# Altium PCB Graviton-EC2-Simplified.PcbDoc (part 5 of 9)
Units mm, origin at the board's own origin, x right, y up, seen from the top; angles counter-clockwise.
Board outline 200 x 200 mm, 10 copper layers (Top Layer, Internal Plane 1, Signal Layer 1, Internal Plane 2, Signal Layer 2, Signal Layer 3, Internal Plane 3, Signal Layer 4, Internal Plane 4, Bottom Layer), stack 1.674 mm thick; 774 components, 1540 nets, 6310 pads, 1698 vias.
Unrouted connection lines stored in the file: 74.
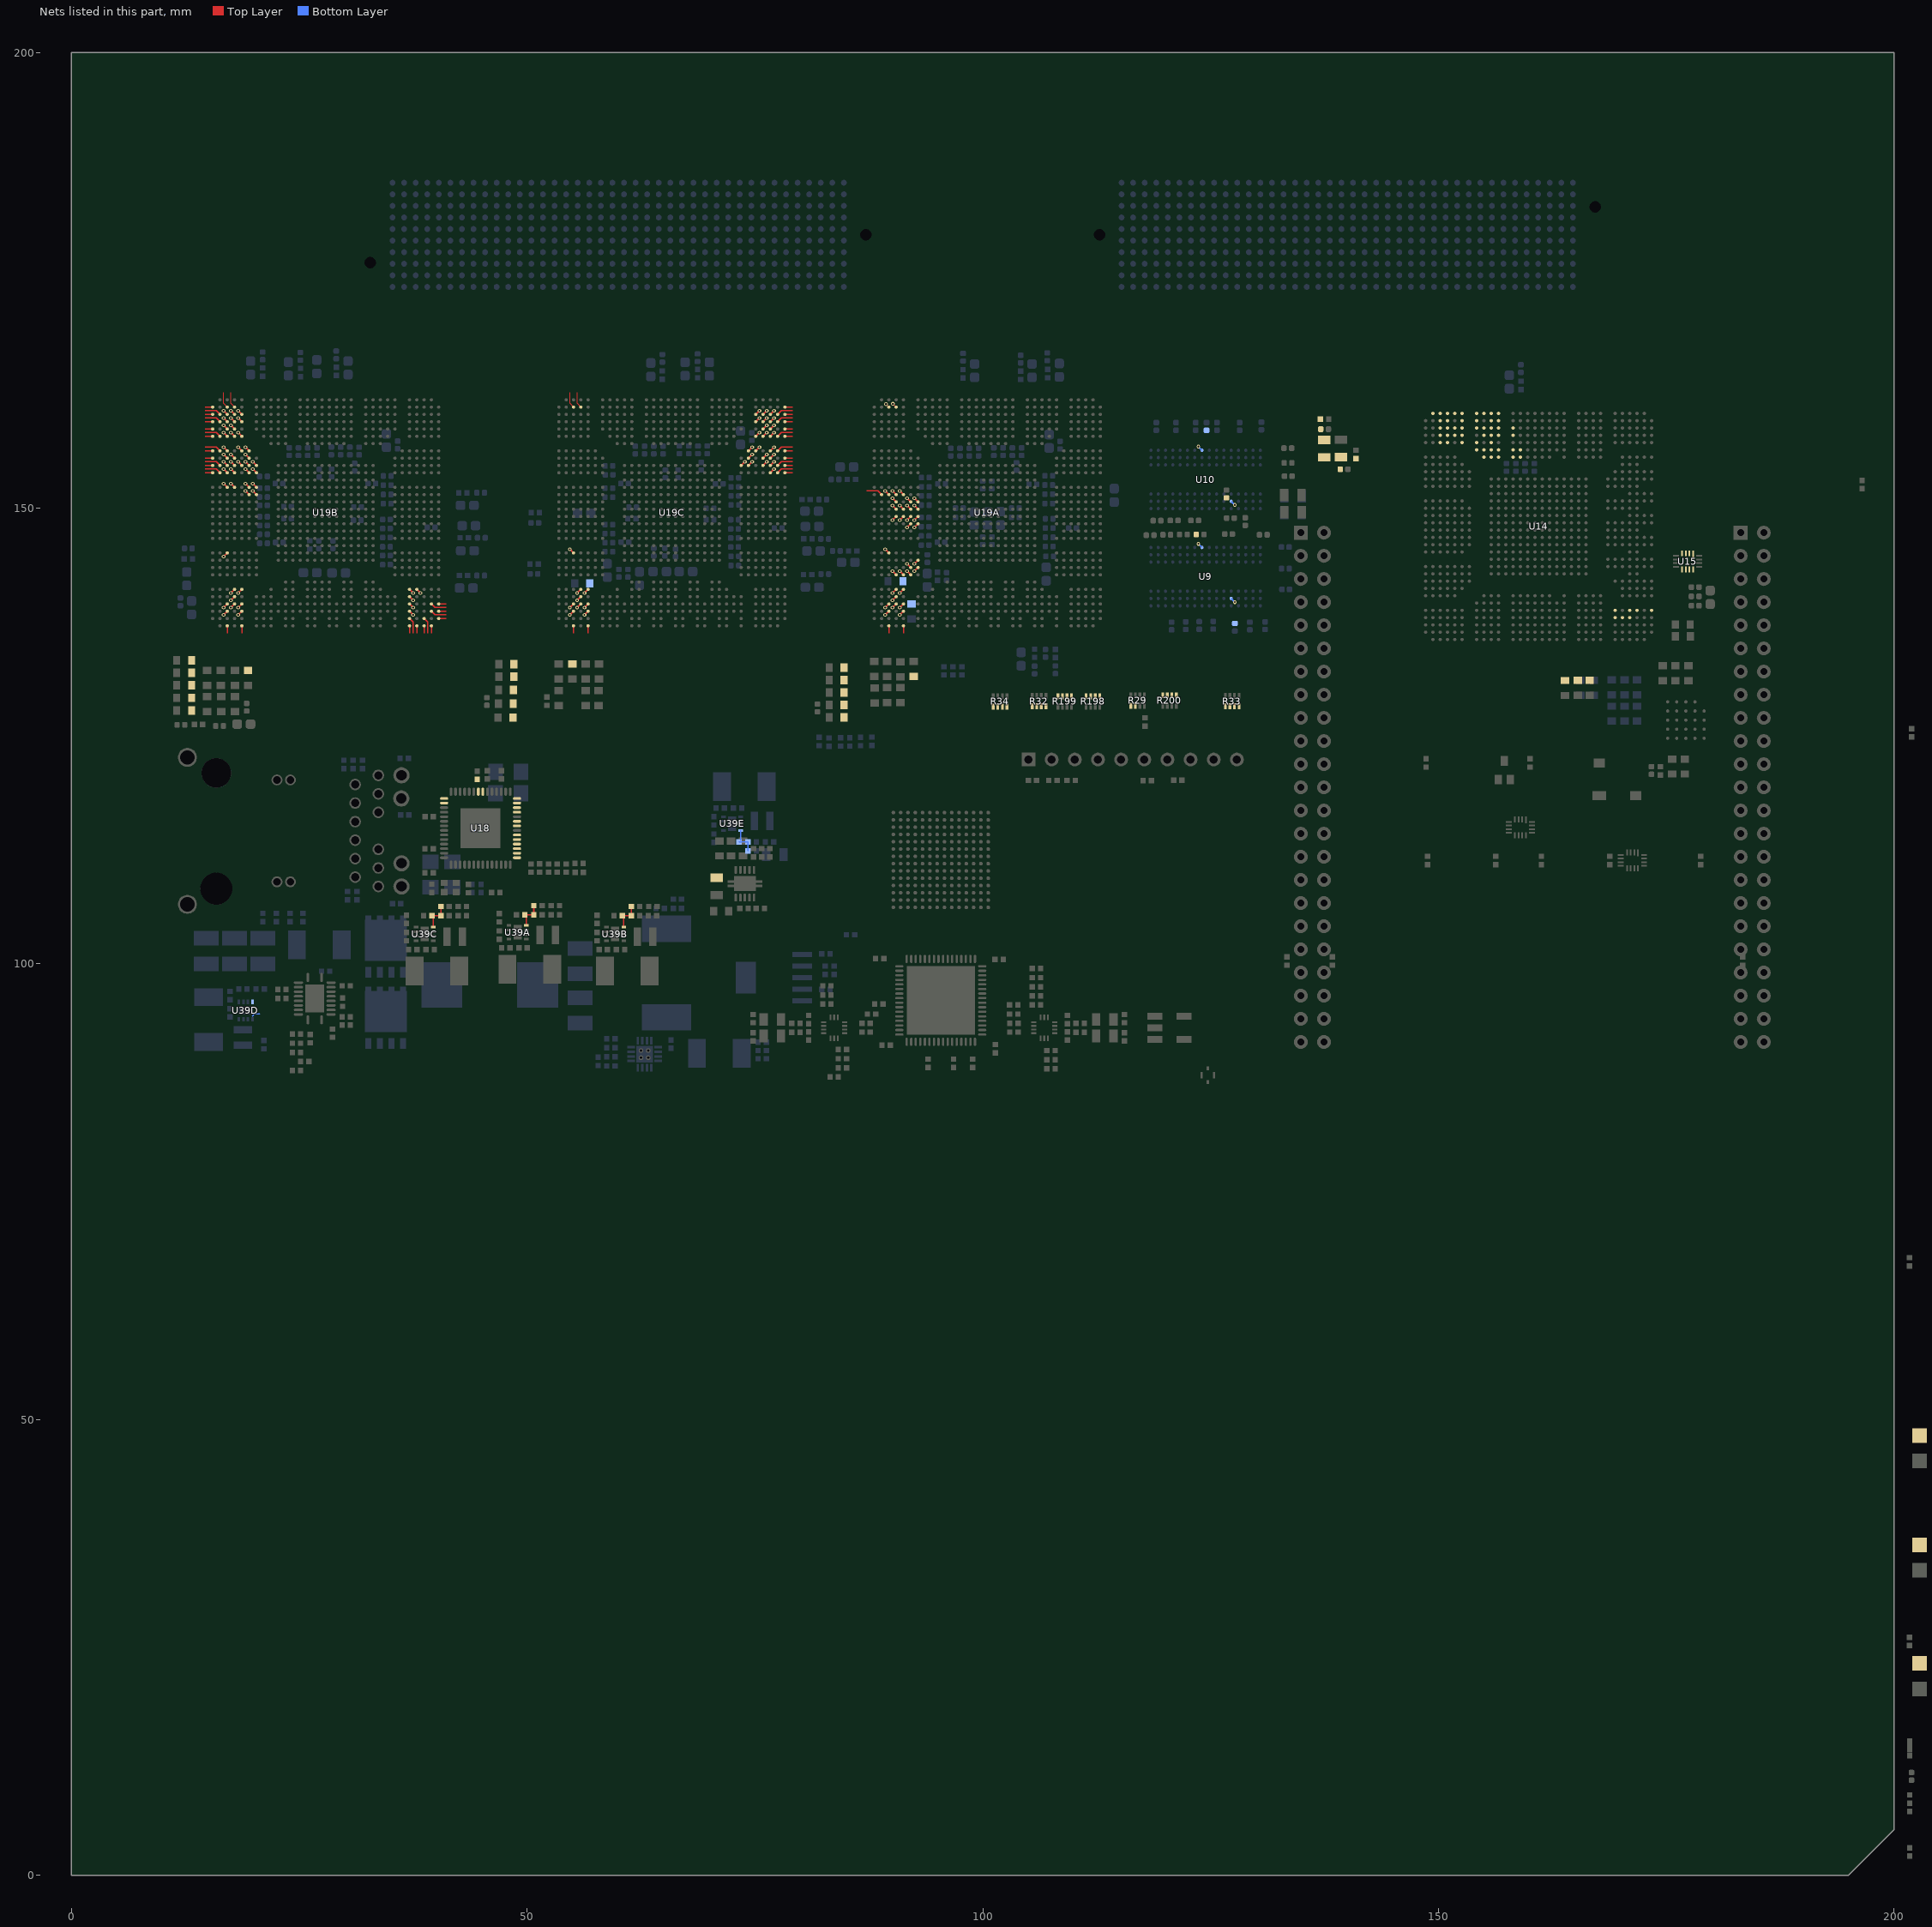
[diagram p13: the nets of this part, all layers, seen from the top]

## Via types
v1: diameter 0.406, hole 0.203, Top Layer to Bottom Layer, 1443 vias
v2: diameter 0.406, hole 0.203, Top Layer to Bottom Layer, tented top, 173 vias
v3: diameter 0.66, hole 0.305, Top Layer to Bottom Layer, tented top, 36 vias
v4: diameter 0.457, hole 0.203, Top Layer to Bottom Layer, 29 vias
v5: diameter 0.6, hole 0.3, Top Layer to Bottom Layer, 10 vias
v6: diameter 0.457, hole 0.203, Top Layer to Bottom Layer, tented bottom, 5 vias
v7: diameter 0.406, hole 0.203, Top Layer to Bottom Layer, tented both sides, 2 vias

## Nets (pads, with @x,y where several pads share a name; then routed paths per layer and width w, separated by ;. In a path a pad name is that pad's centre, name@x,y a point inside that pad or via, vN(x,y) a via of type N, cw(c..) or ccw(c..) an arc to the next point about the centre after c; other vN are vias at no path point) (continued)
DDRCC2.S10C: U19C.K26 | length 0.6
  Top Layer w0.127: U19C.K26@73.5,154.7 v1(73.9,155.1)
DDRCC2.S11C: U19C.K27 | length 0.6
  Top Layer w0.127: U19C.K27@74.3,154.7 v1(74.7,155.1)
DDRCC2.S12C: U19C.J27 | length 0.6
  Top Layer w0.127: U19C.J27@74.3,155.5 v1(74.7,155.9)
DDRCC2.S13C: U19C.H28 | length 0.6
  Top Layer w0.127: U19C.H28@75.1,156.3 v1(75.5,156.7)
DDRCC2.S14C: U19C.H27 | length 0.6
  Top Layer w0.127: U19C.H27@74.3,156.3 v1(74.7,156.7)
DDRCC2.S15C: U19C.K29 | length 0.6
  Top Layer w0.127: U19C.K29@75.9,154.7 v1(76.3,155.1)
DDRCC2.S16C: U19C.J29 | length 0.6
  Top Layer w0.127: U19C.J29@75.9,155.5 v1(76.3,155.9)
DDRCC2.S17C: U19C.L30 | length 0.6
  Top Layer w0.127: U19C.L30@76.7,153.9 v1(77.1,154.3)
DDRCC2.S18C: U19C.L31 | length 1.8
  Top Layer w0.12: U19C.L31@77.5,153.9 77.9,154.3 79.115,154.3
DDRCC2.S19C: U19C.L32 | length 0.8
  Top Layer w0.12: U19C.L32@78.3,153.9 79.115,153.9
DDRCC2.S20C: U19C.K32 | length 0.8
  Top Layer w0.12: U19C.K32@78.3,154.7 79.115,154.7
DDRCC2.S21C: U19C.J32 | length 0.8
  Top Layer w0.12: U19C.J32@78.3,155.5 79.115,155.5
DDRCC2.S22C: U19C.K31 | length 1.8
  Top Layer w0.12: U19C.K31@77.5,154.7 77.9,155.1 79.115,155.1
DDRCC2.S23C: U19C.K30 | length 0.6
  Top Layer w0.127: U19C.K30@76.7,154.7 v1(77.1,155.1)
DDRCC2.S24C: U19C.J30 | length 0.6
  Top Layer w0.127: U19C.J30@76.7,155.5 v1(77.1,155.9)
DDRCC2.S25C: U19C.H30 | length 0.6
  Top Layer w0.127: U19C.H30@76.7,156.3 v1(77.1,156.7)
DDRCC2.S26C: U19C.H31 | length 1.8
  Top Layer w0.12: U19C.H31@77.5,156.3 77.9,156.7 79.115,156.7
DDRCC2.S27C: U19C.H32 | length 0.8
  Top Layer w0.12: U19C.H32@78.3,156.3 79.115,156.3
DDRCC2.S28C: U19C.F32 | length 0.8
  Top Layer w0.12: U19C.F32@78.3,157.9 79.115,157.9
DDRCC2.S29C: U19C.E32 | length 0.8
  Top Layer w0.12: U19C.E32@78.3,158.7 79.115,158.7
DDRCC2.S30C: U19C.F31 | length 1.8
  Top Layer w0.12: U19C.F31@77.5,157.9 77.9,158.3 79.115,158.3
DDRCC2.S31C: U19C.D32 | length 0.8
  Top Layer w0.12: U19C.D32@78.3,159.5 79.115,159.5
DDRCC2.S32C: U19C.C32 | length 0.8
  Top Layer w0.12: U19C.C32@78.3,160.3 79.115,160.3
DDRCC2.S33C: U19C.E30 | length 0.6
  Top Layer w0.127: U19C.E30@76.7,158.7 v1(77.1,159.1)
DDRCC2.S34C: U19C.F30 | length 0.6
  Top Layer w0.127: U19C.F30@76.7,157.9 v1(77.1,158.3)
DDRCC2.S35C: U19C.D31 | length 1.8
  Top Layer w0.12: U19C.D31@77.5,159.5 77.9,159.9 79.115,159.9
DDRCC2.S36C: U19C.D30 | length 0.6
  Top Layer w0.127: U19C.D30@76.7,159.5 v1(77.1,159.9)
DDRCC2.S37C: U19C.C31 | length 1.8
  Top Layer w0.12: U19C.C31@77.5,160.3 77.9,160.7 79.115,160.7
DDRCC2.S38C: U19C.B32 | length 0.8
  Top Layer w0.12: U19C.B32@78.3,161.1 79.115,161.1
DDRCC2.S39C: U19C.F28 | length 0.6
  Top Layer w0.127: U19C.F28@75.1,157.9 v1(75.5,158.3)
DDRCC2.S40C: U19C.F29 | length 0.6
  Top Layer w0.127: U19C.F29@75.9,157.9 v1(76.3,158.3)
DDRCC2.S41C: U19C.E29 | length 0.6
  Top Layer w0.127: U19C.E29@75.9,158.7 v1(76.3,159.1)
DDRCC2.S42C: U19C.D29 | length 0.6
  Top Layer w0.127: U19C.D29@75.9,159.5 v1(76.3,159.9)
DDRCC2.S43C: U19C.C30 | length 0.6
  Top Layer w0.127: U19C.C30@76.7,160.3 v1(77.1,160.7)
DDRCC2.S44C: U19C.C29 | length 0.6
  Top Layer w0.127: U19C.C29@75.9,160.3 v1(76.3,160.7)
DDRCC2.S45C: U19C.D28 | length 0.6
  Top Layer w0.127: U19C.D28@75.1,159.5 v1(75.5,159.9)
DDRCC2.S46C: U19C.C28 | length 0.6
  Top Layer w0.127: U19C.C28@75.1,160.3 v1(75.5,160.7)
DDRCC6.S47A: U19A.AB3 | length 0.6
  Top Layer w0.127: v1(89.3,145.5) U19A.AB3@89.7,145.1
DDRCC6.S47B: U19B.AB3 | length 0.6
  Top Layer w0.127: v1(16.7,144.7) U19B.AB3@17.1,145.1
DDRCC6.S47C: U19C.AB3 | length 0.6
  Top Layer w0.127: v1(54.7,145.5) U19C.AB3@55.1,145.1
DDRCC7.S0B: U19B.P6 | length 0.6
  Top Layer w0.127: v1(19.1,151.9) U19B.P6@19.5,151.5
DDRCC7.S1B: U19B.P7 | length 0.6
  Top Layer w0.127: v1(19.9,151.9) U19B.P7@20.3,151.5
DDRCC7.S2B: U19B.C4 | length 0.6
  Top Layer w0.127: v1(17.5,160.7) U19B.C4@17.9,160.3
DDRCC7.S3B: U19B.C3 | length 0.6
  Top Layer w0.127: v1(16.7,160.7) U19B.C3@17.1,160.3
DDRCC7.S4B: U19B.D4 | length 0.6
  Top Layer w0.127: v1(17.5,159.9) U19B.D4@17.9,159.5
DDRCC7.S5B: U19B.E4 | length 0.6
  Top Layer w0.127: v1(17.5,159.1) U19B.E4@17.9,158.7
DDRCC7.S6B: U19B.F4 | length 0.6
  Top Layer w0.127: v1(17.5,158.3) U19B.F4@17.9,157.9
DDRCC7.S7B: U19B.F5 | length 0.6
  Top Layer w0.127: v1(18.3,158.3) U19B.F5@18.7,157.9
DDRCC7.S8B: U19B.B1 | length 0.8
  Top Layer w0.12: 14.685,161.1 U19B.B1@15.5,161.1
DDRCC7.S9B: U19B.C2 | length 1.8
  Top Layer w0.12: 14.685,160.7 15.9,160.7 U19B.C2@16.3,160.3
DDRCC7.S10B: U19B.D3 | length 0.6
  Top Layer w0.127: v1(16.7,159.9) U19B.D3@17.1,159.5
DDRCC7.S11B: U19B.D2 | length 1.8
  Top Layer w0.12: 14.685,159.9 15.9,159.9 U19B.D2@16.3,159.5
DDRCC7.S12B: U19B.F3 | length 0.6
  Top Layer w0.127: v1(16.7,158.3) U19B.F3@17.1,157.9
DDRCC7.S13B: U19B.E3 | length 0.6
  Top Layer w0.127: v1(16.7,159.1) U19B.E3@17.1,158.7
DDRCC7.S14B: U19B.C1 | length 0.8
  Top Layer w0.12: 14.685,160.3 U19B.C1@15.5,160.3
DDRCC7.S15B: U19B.D1 | length 0.8
  Top Layer w0.12: 14.685,159.5 U19B.D1@15.5,159.5
DDRCC7.S16B: U19B.F2 | length 1.8
  Top Layer w0.12: 14.685,158.3 15.9,158.3 U19B.F2@16.3,157.9
DDRCC7.S17B: U19B.E1 | length 0.8
  Top Layer w0.12: 14.685,158.7 U19B.E1@15.5,158.7
DDRCC7.S18B: U19B.F1 | length 0.8
  Top Layer w0.12: 14.685,157.9 U19B.F1@15.5,157.9
DDRCC7.S19B: U19B.H1 | length 0.8
  Top Layer w0.12: 14.685,156.3 U19B.H1@15.5,156.3
DDRCC7.S20B: U19B.H2 | length 1.8
  Top Layer w0.12: 14.685,156.7 15.9,156.7 U19B.H2@16.3,156.3
DDRCC7.S21B: U19B.H3 | length 0.6
  Top Layer w0.127: v1(16.7,156.7) U19B.H3@17.1,156.3
DDRCC7.S22B: U19B.J3 | length 0.6
  Top Layer w0.127: v1(16.7,155.9) U19B.J3@17.1,155.5
DDRCC7.S23B: U19B.K3 | length 0.6
  Top Layer w0.127: v1(16.7,155.1) U19B.K3@17.1,154.7
DDRCC7.S24B: U19B.K2 | length 1.8
  Top Layer w0.12: 14.685,155.1 15.9,155.1 U19B.K2@16.3,154.7
DDRCC7.S25B: U19B.J1 | length 0.8
  Top Layer w0.12: 14.685,155.5 U19B.J1@15.5,155.5
DDRCC7.S26B: U19B.K1 | length 0.8
  Top Layer w0.12: 14.685,154.7 U19B.K1@15.5,154.7
DDRCC7.S27B: U19B.L1 | length 0.8
  Top Layer w0.12: 14.685,153.9 U19B.L1@15.5,153.9
DDRCC7.S28B: U19B.L2 | length 1.8
  Top Layer w0.12: 14.685,154.3 15.9,154.3 U19B.L2@16.3,153.9
DDRCC7.S29B: U19B.L3 | length 0.6
  Top Layer w0.127: v1(16.7,154.3) U19B.L3@17.1,153.9
DDRCC7.S30B: U19B.J4 | length 0.6
  Top Layer w0.127: v1(17.5,155.9) U19B.J4@17.9,155.5
DDRCC7.S31B: U19B.K4 | length 0.6
  Top Layer w0.127: v1(17.5,155.1) U19B.K4@17.9,154.7
DDRCC7.S32B: U19B.H6 | length 0.6
  Top Layer w0.127: v1(19.1,156.7) U19B.H6@19.5,156.3
DDRCC7.S33B: U19B.H5 | length 0.6
  Top Layer w0.127: v1(18.3,156.7) U19B.H5@18.7,156.3
DDRCC7.S34B: U19B.J6 | length 0.6
  Top Layer w0.127: v1(19.1,155.9) U19B.J6@19.5,155.5
DDRCC7.S35B: U19B.K6 | length 0.6
  Top Layer w0.127: v1(19.1,155.1) U19B.K6@19.5,154.7
DDRCC7.S36B: U19B.K7 | length 0.6
  Top Layer w0.127: v1(19.9,155.1) U19B.K7@20.3,154.7
DDRCC7.S37B: U19B.K5 | length 0.6
  Top Layer w0.127: v1(18.3,155.1) U19B.K5@18.7,154.7
DDRCC7.S38B: U19B.L4 | length 0.6
  Top Layer w0.127: v1(17.5,154.3) U19B.L4@17.9,153.9
DDRCC7.S39B: U19B.N3 | length 0.6
  Top Layer w0.127: v1(16.7,152.7) U19B.N3@17.1,152.3
DDRCC7.S40B: U19B.N4 | length 0.6
  Top Layer w0.127: v1(17.5,152.7) U19B.N4@17.9,152.3
DDRCC7.S41B: U19B.L7 | length 0.6
  Top Layer w0.127: v1(19.9,154.3) U19B.L7@20.3,153.9
DDRCC7.S42B: U19B.L6 | length 0.6
  Top Layer w0.127: v1(19.1,154.3) U19B.L6@19.5,153.9
DDRCC7.S43B: U19B.N6 | length 0.6
  Top Layer w0.127: v1(19.1,152.7) U19B.N6@19.5,152.3
DDRCC7.S44B: U19B.N7 | length 0.6
  Top Layer w0.127: v1(19.9,152.7) U19B.N7@20.3,152.3
DDRCC7.S45B: U19B.C5 | length 0.6
  Top Layer w0.127: v1(18.3,160.7) U19B.C5@18.7,160.3
DDRCC7.S46B: U19B.D5 | length 0.6
  Top Layer w0.127: v1(18.3,159.9) U19B.D5@18.7,159.5
DDRVREF: C127.2 C128.2 C133.2 C136.2 C148.2 C150.2 R36.1 R113.2 U9.H1 U9.M8 U10.H1 U10.M8
  other v2: 127.66,139.694 123.66,146.094 127.66,150.362 123.66,156.762
DDRVTT: C134.2 C137.2 R29.5 R29.6 R32.5 R32.6 R32.7 R32.8 R33.5 R33.6 R33.7 R33.8 R34.5 R34.6 R34.7 R34.8 R36.2 R37.1 R198.5 R198.6 R198.7 R198.8 R199.5 R199.6 R199.7 R199.8 R200.5 R200.6 R200.7 R200.8
DSA-CTRL0.D3: U19B.AM28 | length 0.8
  Top Layer w0.12: 37.1,136.285 U19B.AM28@37.1,137.1
DSA-CTRL0.D4: U19B.AM29 | length 0.8
  Top Layer w0.12: 37.9,136.285 U19B.AM29@37.9,137.1
DSA-CTRL0.D5: U19B.AL28 | length 1.8
  Top Layer w0.12: U19B.AL28@37.1,137.9 37.5,137.5 37.5,136.285
DSA-CTRL0.D6: U19B.AK28 | length 0.6
  Top Layer w0.127: U19B.AK28@37.1,138.7 v1(37.5,138.3)
DSA-CTRL1.D3: U19B.AK32 | length 0.8
  Top Layer w0.12: U19B.AK32@40.3,138.7 41.115,138.7
DSA-CTRL1.D4: U19B.AJ32 | length 0.8
  Top Layer w0.12: U19B.AJ32@40.3,139.5 41.115,139.5
DSA-CTRL1.D5: U19B.AM30 | length 0.8
  Top Layer w0.12: 38.7,136.285 U19B.AM30@38.7,137.1
DSA-CTRL1.D6: U19B.AL30 | length 1.8
  Top Layer w0.12: U19B.AL30@38.7,137.9 39.1,137.5 39.1,136.285
DSA-CTRL2.D3: U19B.AK31 | length 1.8
  Top Layer w0.12: U19B.AK31@39.5,138.7 39.9,138.3 41.115,138.3
DSA-CTRL2.D4: U19B.AJ31 | length 1.8
  Top Layer w0.12: U19B.AJ31@39.5,139.5 39.9,139.1 41.115,139.1
DSA-CTRL2.D5: U19B.AM31 | length 0.8
  Top Layer w0.12: 39.5,136.285 U19B.AM31@39.5,137.1
DSA-CTRL2.D6: U19B.AL32 | length 0.8
  Top Layer w0.12: U19B.AL32@40.3,137.9 41.115,137.9
DSA-CTRL3.D3: U19B.AG28 | length 0.6
  Top Layer w0.127: U19B.AG28@37.1,141.1 v1(37.5,140.7)
DSA-CTRL3.D4: U19B.AG29 | length 0.6
  Top Layer w0.127: U19B.AG29@37.9,141.1 v1(38.3,140.7)
DSA-CTRL3.D5: U19B.AJ28 | length 0.6
  Top Layer w0.127: U19B.AJ28@37.1,139.5 v1(37.5,139.1)
DSA-CTRL3.D6: U19B.AH28 | length 0.6
  Top Layer w0.127: U19B.AH28@37.1,140.3 v1(37.5,139.9)
ENET2-DDRCC6.S0: U18.46 U19A.P5 | length 0.6
  Top Layer w0.127: v1(90.9,151.9) U19A.P5@91.3,151.5
ENET2-DDRCC6.S1: U19A.P4 | length 0.6
  Top Layer w0.127: v1(90.1,151.9) U19A.P4@90.5,151.5
ENET2-DDRCC6.S2: U18.43 U19A.R7 | length 0.6
  Top Layer w0.127: v1(92.5,151.1) U19A.R7@92.9,150.7
ENET2-DDRCC6.S3: U18.44 U19A.T7 | length 0.6
  Top Layer w0.127: v1(92.5,150.3) U19A.T7@92.9,149.9
ENET2-DDRCC6.S4: U18.45 U19A.R6 | length 0.6
  Top Layer w0.127: v1(91.7,151.1) U19A.R6@92.1,150.7
ENET2-DDRCC6.S5: U18.47 U19A.T6 | length 0.6
  Top Layer w0.127: v1(91.7,150.3) U19A.T6@92.1,149.9
ENET2-DDRCC6.S6: U18.48 U19A.U6 | length 0.6
  Top Layer w0.127: v1(91.7,148.7) U19A.U6@92.1,149.1
ENET2-DDRCC6.S7: U18.50 U19A.U7 | length 0.6
  Top Layer w0.127: v1(92.5,148.7) U19A.U7@92.9,149.1
ENET2-DDRCC6.S8: U18.51 U19A.R4 | length 0.6
  Top Layer w0.127: v1(90.1,151.1) U19A.R4@90.5,150.7
ENET2-DDRCC6.S9: U18.53 U19A.T5 | length 0.6
  Top Layer w0.127: v1(90.9,150.3) U19A.T5@91.3,149.9
ENET2-DDRCC6.S10: U18.54 U19A.T4 | length 0.6
  Top Layer w0.127: v1(90.1,150.3) U19A.T4@90.5,149.9
ENET2-DDRCC6.S11: U18.55 U19A.U5 | length 0.6
  Top Layer w0.127: v1(90.9,148.7) U19A.U5@91.3,149.1
ENET2-DDRCC6.S12: U18.56 U19A.U4 | length 0.6
  Top Layer w0.127: v1(90.1,148.7) U19A.U4@90.5,149.1
ENET2-DDRCC6.S13: U18.16 U19A.V6 | length 0.6
  Top Layer w0.127: v1(91.7,147.9) U19A.V6@92.1,148.3
ENET2-DDRCC6.S14: R66.1 U18.8 U19A.V7 | length 0.6
  Top Layer w0.127: v1(92.5,147.9) U19A.V7@92.9,148.3
ENET2-DDRCC6.S15: U18.7 U19A.P2 | length 1.8
  Top Layer w0.12: 87.285,151.9 88.5,151.9 U19A.P2@88.9,151.5
ENET2-DDRCC6.S16: U18.15 U19A.P3 | length 0.6
  Top Layer w0.127: v1(89.3,151.9) U19A.P3@89.7,151.5
ENET2-DDRCC6.S41: U19A.AC7 | length 0.6
  Top Layer w0.127: v1(92.5,143.9) U19A.AC7@92.9,144.3
ENET2-DDRCC6.S42: U19A.AD7 | length 0.6
  Top Layer w0.127: v1(92.5,143.1) U19A.AD7@92.9,143.5
ENET2-DDRCC6.S43: U19A.AD6 | length 0.6
  Top Layer w0.127: v1(91.7,143.9) U19A.AD6@92.1,143.5
ENET2-DDRCC6.S44: U19A.AE6 | length 0.6
  Top Layer w0.127: v1(91.7,143.1) U19A.AE6@92.1,142.7
ENET2-DDRCC6.S45: U19A.AE5 | length 0.6
  Top Layer w0.127: v1(90.9,143.1) U19A.AE5@91.3,142.7
ENET2-DDRCC6.S46: U19A.AE4 | length 0.6
  Top Layer w0.127: v1(90.1,143.1) U19A.AE4@90.5,142.7
FBA: C365.1 R115.1 R117.2 U39A.4 | length 3
  Top Layer w0.152: R117.2@49.755,105.4 R115.1@50.745,105.4 C365.1@50.745,106.4 ; U39A.4@49.914,104.216 R117.2@49.914,105.241
FBB: C377.2 R122.2 R124.1 U39B.4 | length 3.2
  Top Layer w0.152: R124.1@60.455,105.3 R122.2@61.445,105.3 C377.2@61.445,106.3 ; U39B.4@60.614,104.041 R124.1@60.614,105.231
FBC: C364.1 R114.1 R116.2 U39C.4 | length 3.1
  Top Layer w0.152: R116.2@39.555,105.3 R114.1@40.545,105.3 C364.1@40.545,106.3 ; U39C.4@39.714,104.041 R116.2@39.714,105.141
FBD: C378.1 R123.1 R126.2 U39D.4 | length 0.9
  Bottom Layer w0.152: 19.866,94.286 20.116,94.536 20.661,94.536
FBE: C328.1 R88.1 R90.2 U39E.4 | length 3
  Bottom Layer w0.152: R90.2@73.255,113.4 R88.1@74.245,113.4 C328.1@74.245,112.4 ; R90.2@73.45,113.595 U39E.4@73.45,114.65
FPGA-CLK0_N: U13.14 U19C.B4 | length 1.8
  Top Layer w0.076: 55.5,162.715 55.5,161.5 U19C.B4@55.9,161.1
FPGA-CLK0_P: U13.15 U19C.B3 | length 1.8
  Top Layer w0.076: 54.7,162.715 54.7,161.5 U19C.B3@55.1,161.1
FPGA-CLK1_N: U13.11 U19B.B4 | length 1.8
  Top Layer w0.076: 17.5,162.715 17.5,161.5 U19B.B4@17.9,161.1
FPGA-CLK1_P: U13.12 U19B.B3 | length 1.8
  Top Layer w0.076: 16.7,162.715 16.7,161.5 U19B.B3@17.1,161.1
FPGA-CLK2_N: U13.9 U19A.B4 | length 0.5
  Top Layer w0.076: v1(90.145,161.455) U19A.B4@90.5,161.1
FPGA-CLK2_P: U13.10 U19A.B3 | length 0.4
  Top Layer w0.076: v1(89.383,161.417) U19A.B3@89.7,161.1
FPGA-CLK-SRC_N: U13.1
FPGA-CLK-SRC_P: U13.4
FPGA-JTAG-TCK-3V3: U14.AK5 U15.9
FPGA-JTAG-TDI-3V3: U14.AJ5 U15.11
FPGA-JTAG-TDO-3V3: R42.1 U14.AG5 U15.12
FPGA-JTAG-TMS-3V3: U14.AM5 U15.10
FPGA-JTAG.TDIA: J7A.9 J7B.7
FPGA-JTAG.TDIB: J7B.9 J7C.7
FPGA-JTAG.TDO: J6.7 J7C.9
FPGA_DONE: U14.AJ4 U22.11
FPGA_DONE_BUF: J6.13 U22.2
FPGA_INIT: R40.1 U14.AG4 U22.12
FPGA_INIT_BUF: J6.14 U22.1
FPGA_PROG_N: R41.1 U14.AH4 U22.10
FPGA_PROG_N_BUF: J6.12 U22.3
FPGA_TCK: J6.6 U15.4
FPGA_TCKA: J7A.6 R72A.2 U19A.AK5 | length 0.6
  Top Layer w0.127: v1(90.9,138.3) U19A.AK5@91.3,138.7
FPGA_TCKB: J7B.6 R72B.2 U19B.AK5 | length 0.6
  Top Layer w0.127: v1(18.3,138.3) U19B.AK5@18.7,138.7
FPGA_TCKC: J7C.6 R72C.2 U19C.AK5 | length 0.6
  Top Layer w0.127: v1(56.3,138.3) U19C.AK5@56.7,138.7
FPGA_TDI: J6.10 U15.2
FPGA_TDIA: J7A.10 R70A.1 U19A.AJ5 | length 0.6
  Top Layer w0.127: v1(90.9,139.1) U19A.AJ5@91.3,139.5
FPGA_TDIB: J7B.10 R70B.1 U19B.AJ5 | length 0.6
  Top Layer w0.127: v1(18.3,139.1) U19B.AJ5@18.7,139.5
FPGA_TDIC: J7C.10 R70C.1 U19C.AJ5 | length 0.6
  Top Layer w0.127: v1(56.3,139.1) U19C.AJ5@56.7,139.5
FPGA_TDO: J6.8 U15.1
FPGA_TDOA: J7A.8 R71A.1 U19A.AG5 | length 0.6
  Top Layer w0.127: v1(90.9,140.7) U19A.AG5@91.3,141.1
FPGA_TDOB: J7B.8 R71B.1 U19B.AG5 | length 0.6
  Top Layer w0.127: v1(18.3,140.7) U19B.AG5@18.7,141.1
FPGA_TDOC: J7C.8 R71C.1 U19C.AG5 | length 0.6
  Top Layer w0.127: v1(56.3,140.7) U19C.AG5@56.7,141.1
FPGA_TMS: J6.4 U15.3
FPGA_TMSA: J7A.4 R68A.1 U19A.AM5 | length 0.8
  Top Layer w0.12: 91.3,136.285 U19A.AM5@91.3,137.1
FPGA_TMSB: J7B.4 R68B.1 U19B.AM5 | length 0.8
  Top Layer w0.12: 18.7,136.285 U19B.AM5@18.7,137.1
FPGA_TMSC: J7C.4 R68C.1 U19C.AM5 | length 0.8
  Top Layer w0.12: 56.7,136.285 U19C.AM5@56.7,137.1
FPGA_VREF: F2.2 J6.2
FPGA_VREFA: F4A.2 J7A.2
FPGA_VREFB: F4B.2 J7B.2
FPGA_VREFC: F4C.2 J7C.2
FPGACFG0.CCLK: R76C.2 U14.C30 U19C.AM3 | length 0.8
  Top Layer w0.12: 55.1,136.285 U19C.AM3@55.1,137.1
FPGACFG0.DI: U14.D29 U19C.AJ3 | length 0.6
  Top Layer w0.127: v1(54.7,139.1) U19C.AJ3@55.1,139.5
FPGACFG0.DONE: U14.C29 U19C.AJ4 | length 0.6
  Top Layer w0.127: v1(55.5,139.1) U19C.AJ4@55.9,139.5
FPGACFG0.DOUT: U14.E29 U19C.AK3 | length 0.6
  Top Layer w0.127: v1(54.7,138.3) U19C.AK3@55.1,138.7
FPGACFG0.INITN: R67C.1 U14.D28 U19C.AG4 | length 0.6
  Top Layer w0.127: v1(55.5,140.7) U19C.AG4@55.9,141.1
FPGACFG0.PROGN: R69C.1 U14.C28 U19C.AH4 | length 0.6
  Top Layer w0.127: v1(55.5,139.9) U19C.AH4@55.9,140.3
FPGACFG1.CCLK: R76B.2 U14.C31 U19B.AM3 | length 0.8
  Top Layer w0.12: 17.1,136.285 U19B.AM3@17.1,137.1
FPGACFG1.DI: U14.D30 U19B.AJ3 | length 0.6
  Top Layer w0.127: v1(16.7,139.1) U19B.AJ3@17.1,139.5
FPGACFG1.DONE: U14.B32 U19B.AJ4 | length 0.6
  Top Layer w0.127: v1(17.5,139.1) U19B.AJ4@17.9,139.5
FPGACFG1.DOUT: U14.D31 U19B.AK3 | length 0.6
  Top Layer w0.127: v1(16.7,138.3) U19B.AK3@17.1,138.7
FPGACFG1.INITN: R67B.1 U14.F28 U19B.AG4 | length 0.6
  Top Layer w0.127: v1(17.5,140.7) U19B.AG4@17.9,141.1
FPGACFG1.PROGN: R69B.1 U14.F29 U19B.AH4 | length 0.6
  Top Layer w0.127: v1(17.5,139.9) U19B.AH4@17.9,140.3
FPGACFG2.CCLK: R76A.2 U14.D32 U19A.AM3 | length 0.8
  Top Layer w0.12: 89.7,136.285 U19A.AM3@89.7,137.1
FPGACFG2.DI: U14.F31 U19A.AJ3 | length 0.6
  Top Layer w0.127: v1(89.3,139.1) U19A.AJ3@89.7,139.5
FPGACFG2.DONE: U14.C32 U19A.AJ4 | length 0.6
  Top Layer w0.127: v1(90.1,139.1) U19A.AJ4@90.5,139.5
FPGACFG2.DOUT: U14.E32 U19A.AK3 | length 0.6
  Top Layer w0.127: v1(89.3,138.3) U19A.AK3@89.7,138.7
FPGACFG2.INITN: R67A.1 U14.E30 U19A.AG4 | length 0.6
  Top Layer w0.127: v1(90.1,140.7) U19A.AG4@90.5,141.1
FPGACFG2.PROGN: R69A.1 U14.F30 U19A.AH4 | length 0.6
  Top Layer w0.127: v1(90.1,139.9) U19A.AH4@90.5,140.3
FPGACFG3.CCLK: U14.H30
FPGACFG3.DI: U14.J30
FPGACFG3.DONE: U14.H31
FPGACFG3.DOUT: U14.K30
FPGACFG3.INITN: U14.H32
FPGACFG3.PROGN: U14.F32
FPGACFG4.CCLK: U14.L32
FPGACFG4.DI: U14.L31
FPGACFG4.DONE: U14.K32
FPGACFG4.DOUT: U14.L30
FPGACFG4.INITN: U14.J32
FPGACFG4.PROGN: U14.K31
FPGACFG5.CCLK: U14.H28
FPGACFG5.DI: U14.J26
FPGACFG5.DONE: U14.H27
FPGACFG5.DOUT: U14.J27
FPGACFG5.INITN: U14.K29
FPGACFG5.PROGN: U14.J29
FPGACFG6.CCLK: U14.L29
FPGACFG6.DI: U14.N30
FPGACFG6.DONE: U14.K28
FPGACFG6.DOUT: U14.N29
FPGACFG6.INITN: U14.K26
FPGACFG6.PROGN: U14.K27
FPGACFG7.CCLK: U14.N26
FPGACFG7.DI: U14.P27
FPGACFG7.DONE: U14.N27
FPGACFG7.DOUT: U14.P26
FPGACFG7.INITN: U14.L27
FPGACFG7.PROGN: U14.L26